# Altium PCB Fri3D_2018_00.PcbDoc (part 2 of 2)
Units mm, origin at the board's own origin, x right, y up, seen from the top; angles counter-clockwise.
Board outline 118.52 x 103.1 mm, 2 copper layers (Top Layer, Bottom Layer), stack 1.571 mm thick; 163 components, 107 nets, 522 pads, 207 vias.
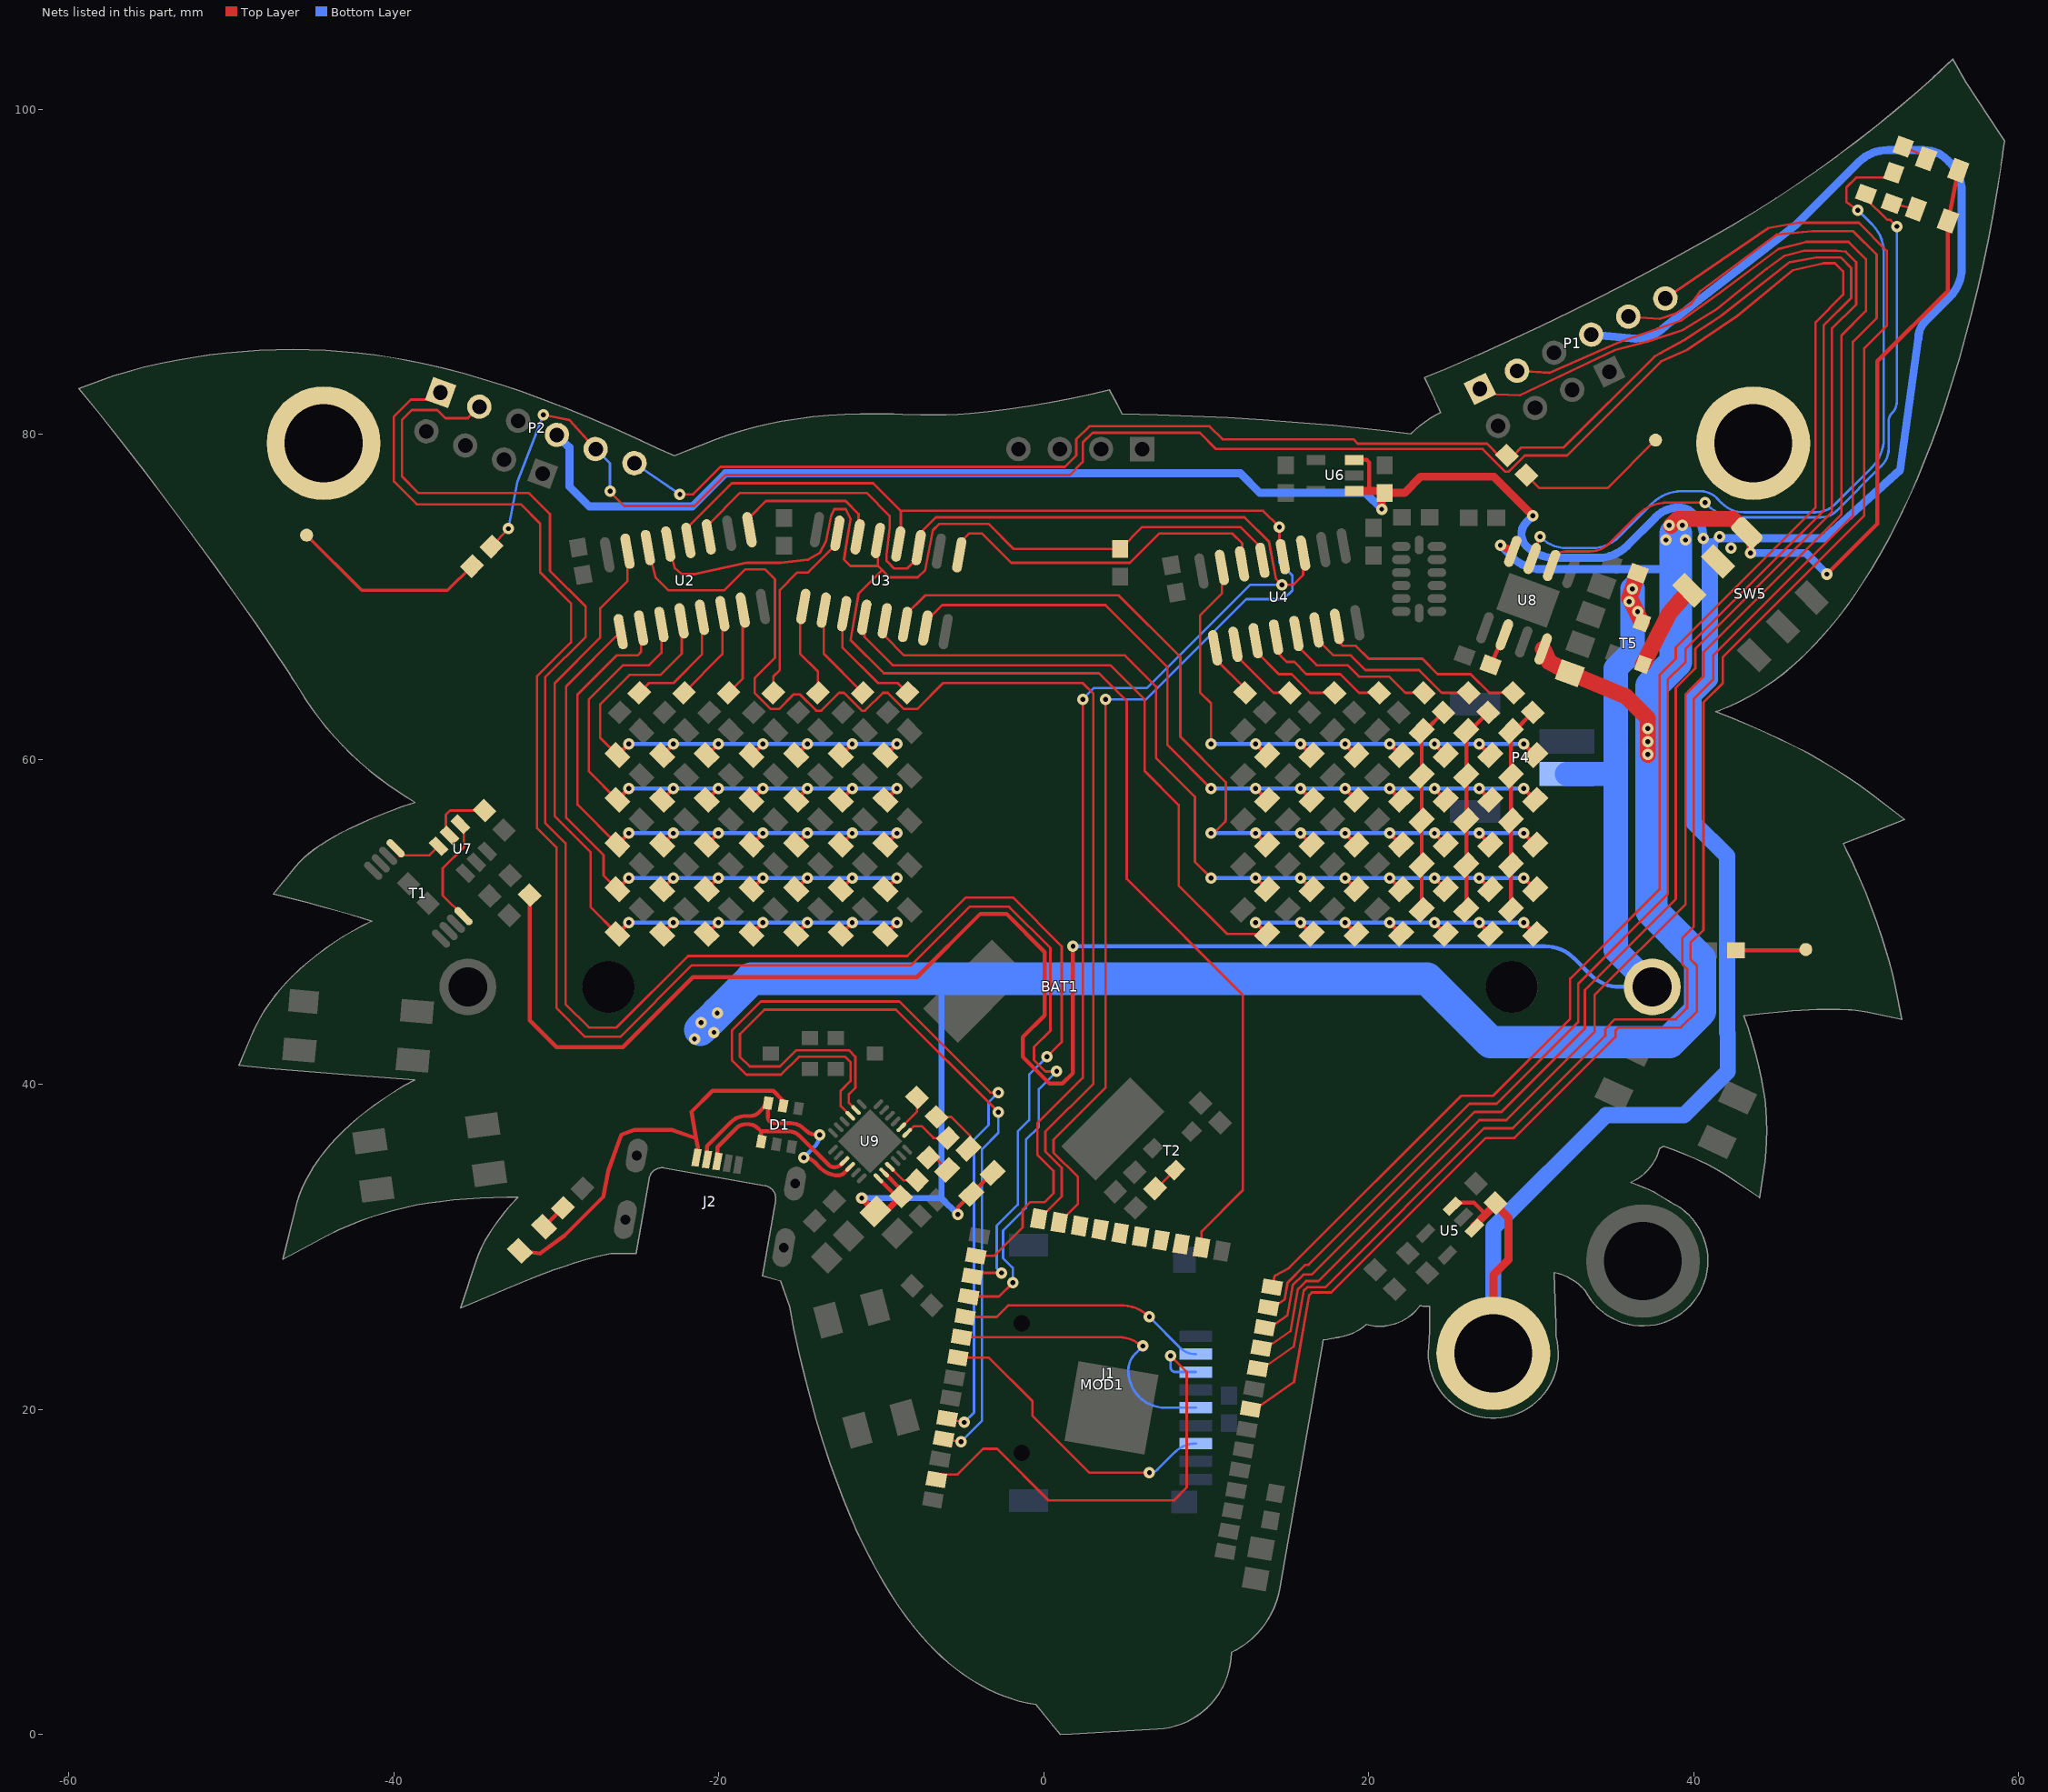
[diagram p2: the nets of this part, all layers, seen from the top]

## Via types
v1: diameter 0.7, hole 0.3, Top Layer to Bottom Layer, tented top, 207 vias

## Nets (pads, with @x,y where several pads share a name; then routed paths per layer and width w, separated by ;. In a path a pad name is that pad's centre, name@x,y a point inside that pad or via, vN(x,y) a via of type N, cw(c..) or ccw(c..) an arc to the next point about the centre after c; other vN are vias at no path point) (continued)
NetD41_2: D41.2 D48.2 D55.2 D62.2 D69.2 R14.1 | length 12.8
  Top Layer w0.25: D69.2@23.258,50.742 D62.2@23.258,53.492 D55.2@23.258,56.242 D48.2@23.258,58.992 D41.2@23.258,61.742 23.444,61.742 R14.1@24.601,62.899
NetD42_2: D42.2 D49.2 D56.2 D63.2 D70.2 R15.1 | length 12.8
  Top Layer w0.25: D70.2@26.008,50.742 D63.2@26.008,53.492 D56.2@26.008,56.242 D49.2@26.008,58.992 D42.2@26.008,61.742 26.194,61.742 R15.1@27.351,62.899
NetD43_2: D43.2 D50.2 D57.2 D64.2 D71.2 R16.1 | length 12.8
  Top Layer w0.25: D71.2@28.758,50.742 D64.2@28.758,53.492 D57.2@28.758,56.242 D50.2@28.758,58.992 D43.2@28.758,61.742 28.944,61.742 R16.1@30.101,62.899
NetD72_2: D72.2 R22.1 | length 1.4
  Top Layer w0.15: R22.1@52.309,94.2 D72.2@53.678,93.857
NetD73_2: D73.2 R23.1 | length 1.5
  Top Layer w0.15: R23.1@52.891,97.699 D73.2@54.313,97.1
NetD74_2: D74.2 R24.1 | length 3.4
  Top Layer w0.15: R24.1@-6.599,37.999 -5.699,37.999 -4.5,36.8 -4.5,36.185 D74.2@-4.642,36.042
NetD75_2: D75.2 R25.1 | length 1.5
  Top Layer w0.15: R25.1@-7.101,35.499 -6.699,35.499 D75.2@-5.942,34.742
NetD76_2: D76.2 R26.1 | length 1.6
  Top Layer w0.25: D76.2@-30.758,31.242 R26.1@-29.601,32.399
NetR18_1: R18.1 U7.2 | length 3.8
  Top Layer w0.15: U7.2@-36.581,55.331 -36.8,55.55 -36.8,56.6 -36.549,56.851 R18.1@-34.427,56.851
NetR21_1: R21.1 U8.2 | length 2
  Top Layer w0.25: R21.1@27.499,65.809 U8.2@28.348,67.668
NetR22_2: R22.2 U8.6 | length 41.3
  Top Layer w0.15: U8.6@31.252,71.932 cw(c32.12,71.932) 32.12,72.8 33.61,72.8 ccw(c33.61,74.507) 34.818,73.3 36.574,75.056 cw(c38.37,73.26) 38.37,75.8 v1(40.7,75.8) ; R22.2@50.601,94.791 50.6,94.52 51.92,93.2 52.1,93.2 v1(52.5,92.8)
  Bottom Layer w0.15: v1(40.7,75.8) 40.856,75.644 ccw(c42.652,77.44) 40.875,75.625 ccw(c42.652,77.44) 42.652,74.9 47.834,74.9 ccw(c47.834,76.266) 48.799,75.299 ; 48.8,75.3 51.55,78.05 ; 51.55,78.05 ccw(c50.464,79.136) 52,79.136 52,80.817 cw(c52.683,80.817) 52.2,81.3 ccw(c51.476,82.024) 52.5,82.024 v1(52.5,92.8)
NetR23_2: R23.2 U8.7 | length 46.1
  Top Layer w0.15: U8.7@30.1,72.6 v1(30.547,73.7) ; v1(50.1,93.8) 49.4,94.3 49.4,95.2 50,95.8 52.008,95.8 R23.2@52.309,96.101
  Bottom Layer w0.15: v1(30.547,73.7) 30.574,73.674 ccw(c32.2,75.3) 32.2,73 33.725,73 ccw(c33.725,75.353) 35.388,73.688 ; 35.389,73.689 37.456,75.756 cw(c39.252,73.96) 39.252,76.5 40.434,76.5 cw(c40.434,75.134) 41.399,76.101 41.734,75.766 ; 41.735,75.765 ccw(c43.1,77.131) 43.1,75.2 47.5,75.2 ccw(c47.5,76.89) 48.694,75.694 ; 48.695,75.695 50.956,77.956 ccw(c49.16,79.752) 50.958,77.958 ccw(c49.16,79.752) 51.7,79.752 51.7,91.21 ccw(c49.31,91.21) 51,92.9 v1(50.1,93.8)
NetR27_2: R27.2 U9.9 | length 2
  Top Layer w0.15: U9.9@-9.475,34.927 -8.649,34.101 R27.2@-7.796,34.101
NetR32_1: R32.1 T2.2 | length 1.7
  Top Layer w0.15: R32.1@6.851,33.601 6.944,33.601 T2.2@8.073,34.73
NetT1_4: T1.4 U7.1 | length 6.8
  Top Layer w0.15: U7.1@-35.909,56.003 -35.7,55.794 -35.7,54.6 -37,53.3 -37,51.629 T1.4@-35.725,50.353
NetT1_5: T1.5 U7.3 | length 3.1
  Top Layer w0.15: T1.5@-39.897,54.525 -39.471,54.1 -37.812,54.1 U7.3@-37.253,54.659
NetU2_9: U2.9 U3.14 | length 9.6
  Top Layer w0.15: U2.9@-18.118,74.135 -18.118,74.882 -17.1,75.9 -12.2,75.9 -11.4,75.1 U3.14@-11.4,74.5 ; U3.14@-11.459,73.694 U3.14@-11.459,74.441
  Top Layer w0.25: U3.14@-11.459,74.441 U3.14@-11.4,74.5
NetU3_9: U3.9 U4.14 | length 21.4
  Top Layer w0.15: U3.9@-5.206,72.592 -5.206,73.294 -4.6,73.9 -3.8,73.9 -2,72.1 5.3,72.1 7.1,73.9 11.607,73.9 12.207,73.3 U4.14@12.207,72.033
PWM.0: MOD1.8 P1.6 | length 107.7
  Top Layer w0.15: MOD1.8@12.722,20.015 12.956,19.974 15.397,21.683 16.342,27.04 16.502,27.2 17.7,27.2 27.2,36.7 28.962,36.7 35.184,42.922 35.184,43.3 35.384,43.5 39.2,43.5 40.2,44.5 40.2,47.3 39.8,47.7 39.8,48.7 40.6,49.5 40.6,63.5 41.8,64.7 41.8,66.3 50.5,75 50.5,85.3 51.884,86.684 51.884,91.303 50.162,93.025 46.505,93.025 46.5,93.03 44.6,92.7 P1.6@38.258,88.367
PWM.1: MOD1.10 P1.5 | length 106.3
  Top Layer w0.15: MOD1.10@13.163,22.517 13.397,22.475 15.388,23.869 15.993,27.298 16.214,27.52 17.32,27.52 27.1,37.3 28.862,37.3 34.557,42.995 34.557,43.4 35.157,44 38.9,44 39.6,44.7 39.6,47.1 39.3,47.4 39.3,49 40,49.7 40,63.7 41.2,64.9 41.2,66.4 49.8,75 49.8,85.7 51.257,87.157 51.257,91.057 49.807,92.507 47.4,92.507 47.308,92.499 45.1,92.3 40.402,88.797 40.393,88.791 ; P1.5@35.975,87.254 37.9,87.115 38.8,87.4 39.8,88 40.393,88.791 ; 40.4,88.8 40.393,88.791
PWM.2: MOD1.11 P1.2 | length 108.1
  Top Layer w0.15: MOD1.11@13.384,23.767 13.618,23.726 15.187,24.825 15.641,27.4 16.141,27.9 16.9,27.9 26.805,37.805 28.467,37.805 33.896,43.234 33.896,45.496 39.5,51.1 39.5,64.004 40.6,65.104 40.6,66.6 49.1,75.1 49.1,86.1 50.596,87.596 50.596,90.783 49.533,91.846 46.9,91.846 45.2,91.4 41.6,88.7 39.2,87 35.5,85.7 31.109,83.791 P1.2@29.127,83.913
PWM.3: MOD1.12 P1.1 | length 108
  Top Layer w0.15: MOD1.12@13.604,25.018 13.838,24.977 14.998,25.789 15.325,27.641 15.984,28.3 16.5,28.3 26.505,38.305 28.167,38.305 33.3,43.438 33.3,45.8 38.9,51.4 38.9,64.4 40.1,65.6 40.1,66.8 48.5,75.2 48.5,86.5 50,88 50,90.6 49.356,91.244 48.8,91.3 46.8,91.3 45.6,91 44.5,90.2 41.4,87.7 39.3,86.4 37.101,85.696 ; P1.1@26.844,82.8 27.144,82.5 29.3,82.4 35.2,85.2 36.765,85.612 37.1,85.7
RXT: R25.2 U9.13 | length 3
  Top Layer w0.15: U9.13@-8.414,37.013 -7.994,37.432 -7.518,37.432 -6.787,36.701 R25.2@-5.899,36.701
SD.CLK: J1.5 MOD1.30 | length 18.5
  Top Layer w0.15: MOD1.30@-5.068,24.442 4.622,24.442 cw(c4.622,22.422) 6.049,23.851 cw(c4.622,22.422) v1@6.05,23.85
  Bottom Layer w0.15: v1(6.1,23.9) 5.626,23.426 ccw(c6.655,22.397) 5.2,22.397 ccw(c7.497,22.397) 7.497,20.1 J1.5@9.35,20.1
SD.CS: J1.2 MOD1.29 | length 15.7
  Top Layer w0.15: MOD1.29@-4.847,25.692 -2.908,25.692 -2.2,26.4 4.748,26.4 cw(c4.748,23.86) 4.905,26.395 cw(c4.748,23.86) 6.544,25.656 v1(6.5,25.7)
  Bottom Layer w0.15: v1(6.5,25.7) 6.5,25.682 8.38,23.802 ccw(c9.35,24.772) J1.2@9.35,23.4
SD.DI: J1.3 MOD1.37 | length 28.8
  Top Layer w0.15: MOD1.37@-6.611,15.687 -6.298,16 -5.3,16 -3.725,17.575 -2.875,17.575 0.3,14.4 8,14.4 8.8,15.2 8.8,22.3 v1(7.8,23.3)
  Bottom Layer w0.15: v1(7.8,23.3) 7.8,22.6 ccw(c8.1,22.6) 8.1,22.3 J1.3@9.35,22.3
SD.DO: J1.7 MOD1.31 | length 18.7
  Top Layer w0.15: MOD1.31@-5.288,23.191 -3.391,23.191 -0.7,20.5 -0.7,19.6 2.8,16.1 v1(6.5,16.1)
  Bottom Layer w0.15: v1(6.5,16.1) ccw(c6.5,16.824) 7.012,16.312 8.07,17.37 cw(c9.35,16.089) J1.7@9.35,17.9
SPI.CLK: MOD1.20
SPI.CS0: MOD1.19
SPI.D: MOD1.22
SPI.HD: MOD1.17
SPI.Q: MOD1.21
SPI.WP: MOD1.18
SR.D0: D30.1 D31.1 D32.1 D33.1 D34.1 D35.1 D36.1 U2.15 | length 50.4
  Top Layer w0.15: D30.1@-26.242,49.258 -27.9,50.915 -27.9,54.3 -30.1,56.5 -30.1,64.7 -27.3,67.5 -27.3,69.3 -25.622,70.978 U2.15@-25.622,72.812
  Top Layer w0.25: D30.1@-26.242,49.258 v1(-25.542,49.958) ; D31.1@-23.492,49.258 v1(-22.792,49.958) ; D32.1@-20.742,49.258 v1(-20.042,49.958) ; D33.1@-17.992,49.258 v1(-17.292,49.958) ; D34.1@-15.242,49.258 v1(-14.542,49.958) ; D35.1@-12.492,49.258 v1(-11.792,49.958) ; D36.1@-9.742,49.258 v1(-9.042,49.958)
  Bottom Layer w0.25: v1(-25.542,49.958) v1(-22.792,49.958) v1(-20.042,49.958) v1(-17.292,49.958) v1(-14.542,49.958) v1(-11.792,49.958) v1(-9.042,49.958)
SR.D1: D23.1 D24.1 D25.1 D26.1 D27.1 D28.1 D29.1 U2.1 | length 42
  Top Layer w0.15: D23.1@-26.242,52.008 -27.1,52.865 -27.1,54.1 -29.4,56.4 -29.4,64.504 U2.1@-26.039,67.865
  Top Layer w0.25: D23.1@-26.242,52.008 v1(-25.542,52.708) ; D24.1@-23.492,52.008 v1(-22.792,52.708) ; D25.1@-20.742,52.008 v1(-20.042,52.708) ; D26.1@-17.992,52.008 v1(-17.292,52.708) ; D27.1@-15.242,52.008 v1(-14.542,52.708) ; D28.1@-12.492,52.008 v1(-11.792,52.708) ; D29.1@-9.742,52.008 v1(-9.042,52.708)
  Bottom Layer w0.25: v1(-25.542,52.708) v1(-22.792,52.708) v1(-20.042,52.708) v1(-17.292,52.708) v1(-14.542,52.708) v1(-11.792,52.708) v1(-9.042,52.708)
SR.D2: D16.1 D17.1 D18.1 D19.1 D20.1 D21.1 D22.1 U2.2 | length 40.2
  Top Layer w0.15: D16.1@-26.242,54.758 -28.7,57.215 -28.7,64 -26.3,66.4 -25,66.4 -24.788,66.612 U2.2@-24.788,68.085
  Top Layer w0.25: D16.1@-26.242,54.758 v1(-25.542,55.458) ; D17.1@-23.492,54.758 v1(-22.792,55.458) ; D18.1@-20.742,54.758 v1(-20.042,55.458) ; D19.1@-17.992,54.758 v1(-17.292,55.458) ; D20.1@-15.242,54.758 v1(-14.542,55.458) ; D21.1@-12.492,54.758 v1(-11.792,55.458) ; D22.1@-9.742,54.758 v1(-9.042,55.458)
  Bottom Layer w0.25: v1(-25.542,55.458) v1(-22.792,55.458) v1(-20.042,55.458) v1(-17.292,55.458) v1(-14.542,55.458) v1(-11.792,55.458) v1(-9.042,55.458)
SR.D3: D9.1 D10.1 D11.1 D12.1 D13.1 D14.1 D15.1 U2.3 | length 37.7
  Top Layer w0.15: D9.1@-26.242,57.508 -28,59.265 -28,63.7 -25.9,65.8 -24.3,65.8 -23.538,66.562 U2.3@-23.538,68.306
  Top Layer w0.25: D9.1@-26.242,57.508 v1(-25.542,58.208) ; D10.1@-23.492,57.508 v1(-22.792,58.208) ; D11.1@-20.742,57.508 v1(-20.042,58.208) ; D12.1@-17.992,57.508 v1(-17.292,58.208) ; D13.1@-15.242,57.508 v1(-14.542,58.208) ; D14.1@-12.492,57.508 v1(-11.792,58.208) ; D15.1@-9.742,57.508 v1(-9.042,58.208)
  Bottom Layer w0.25: v1(-25.542,58.208) v1(-22.792,58.208) v1(-20.042,58.208) v1(-17.292,58.208) v1(-14.542,58.208) v1(-11.792,58.208) v1(-9.042,58.208)
SR.D4: D2.1 D3.1 D4.1 D5.1 D6.1 D7.1 D8.1 U2.4 | length 35.3
  Top Layer w0.15: D2.1@-26.242,60.258 -27.3,61.315 -27.3,63.4 -25.5,65.2 -23.6,65.2 -22.287,66.513 U2.4@-22.287,68.526
  Top Layer w0.25: D2.1@-26.242,60.258 v1(-25.542,60.958) ; D3.1@-23.492,60.258 v1(-22.792,60.958) ; D4.1@-20.742,60.258 v1(-20.042,60.958) ; D5.1@-17.992,60.258 v1(-17.292,60.958) ; D6.1@-15.242,60.258 v1(-14.542,60.958) ; D7.1@-12.492,60.258 v1(-11.792,60.958) ; D8.1@-9.742,60.258 v1(-9.042,60.958)
  Bottom Layer w0.25: v1(-25.542,60.958) v1(-22.792,60.958) v1(-20.042,60.958) v1(-17.292,60.958) v1(-14.542,60.958) v1(-11.792,60.958) v1(-9.042,60.958)
SR.D5: R3.2 U2.5 | length 7.1
  Top Layer w0.15: R3.2@-24.899,64.101 -24.3,64.7 -22.8,64.7 -21.036,66.464 U2.5@-21.036,68.747
SR.D6: R4.2 U2.6 | length 5.8
  Top Layer w0.15: R4.2@-22.149,64.101 -19.785,66.465 U2.6@-19.785,68.967
SR.D7: R5.2 U2.7 | length 5.4
  Top Layer w0.15: R5.2@-19.399,64.101 -18.535,64.965 U2.7@-18.535,69.188
SR.D8: R6.2 U3.15 | length 11.8
  Top Layer w0.15: R6.2@-16.649,64.101 -16.649,65.1 -16.25,65.499 -16.25,70.418 -15.168,71.5 -14.5,71.5 -12.71,73.29 U3.15@-12.71,73.915
SR.D9: R7.2 U3.1 | length 5.8
  Top Layer w0.15: U3.1@-14.794,69.408 -15,69.203 -15,66.5 -13.899,65.399 R7.2@-13.899,64.101
SR.D10: R8.2 U3.2 | length 6.1
  Top Layer w0.15: U3.2@-13.544,69.188 -13.544,66.496 R8.2@-11.149,64.101
SR.D11: R9.2 U3.3 | length 7.3
  Top Layer w0.15: U3.3@-12.293,68.967 -12.4,68.86 -12.4,66.9 -10.2,64.7 -8.998,64.7 R9.2@-8.399,64.101
SR.D12: D65.1 D66.1 D67.1 D68.1 D69.1 D70.1 D71.1 U3.4 | length 62.5
  Top Layer w0.15: U3.4@-11.042,68.747 -11.042,67.542 -9.3,65.8 4.1,65.8 6.2,63.7 6.2,59.3 8.3,57.2 8.3,52.25 11.3,49.25 13.735,49.25 D65.1@13.742,49.258
  Top Layer w0.25: v1(13.042,49.958) D65.1@13.742,49.258 ; v1(15.792,49.958) D66.1@16.492,49.258 ; v1(18.542,49.958) D67.1@19.242,49.258 ; v1(21.292,49.958) D68.1@21.992,49.258 ; v1(24.042,49.958) D69.1@24.742,49.258 ; v1(26.792,49.958) D70.1@27.492,49.258 ; v1(29.542,49.958) D71.1@30.242,49.258
  Bottom Layer w0.25: v1(13.042,49.958) v1(15.792,49.958) v1(18.542,49.958) v1(21.292,49.958) v1(24.042,49.958) v1(26.792,49.958) v1(29.542,49.958)
SR.D13: D58.1 D59.1 D60.1 D61.1 D62.1 D63.1 D64.1 U3.5 | length 58.3
  Top Layer w0.15: U3.5@-9.791,68.526 -9.791,67.591 -8.6,66.4 5,66.4 6.9,64.5 6.9,60.1 9.3,57.7 9.3,53.7 v1(10.292,52.708)
  Top Layer w0.25: v1(13.042,52.708) D58.1@13.742,52.008 ; v1(15.792,52.708) D59.1@16.492,52.008 ; v1(18.542,52.708) D60.1@19.242,52.008 ; v1(21.292,52.708) D61.1@21.992,52.008 ; v1(24.042,52.708) D62.1@24.742,52.008 ; v1(26.792,52.708) D63.1@27.492,52.008 ; v1(29.542,52.708) D64.1@30.242,52.008
  Bottom Layer w0.25: v1(10.292,52.708) v1(13.042,52.708) v1(15.792,52.708) v1(18.542,52.708) v1(21.292,52.708) v1(24.042,52.708) v1(26.792,52.708) v1(29.542,52.708)
SR.D14: D51.1 D52.1 D53.1 D54.1 D55.1 D56.1 D57.1 U3.6 | length 58.2
  Top Layer w0.15: U3.6@-8.541,68.306 -8.541,68.859 -7.3,70.1 4.6,70.1 8.4,66.3 8.4,61.4 11.2,58.6 11.2,56.281 11.169,56.25 11.169,56.169 v1@10.4,55.4
  Top Layer w0.25: v1(13.042,55.458) D51.1@13.742,54.758 ; v1(15.792,55.458) D52.1@16.492,54.758 ; v1(18.542,55.458) D53.1@19.242,54.758 ; v1(21.292,55.458) D54.1@21.992,54.758 ; v1(24.042,55.458) D55.1@24.742,54.758 ; v1(26.792,55.458) D56.1@27.492,54.758 ; v1(29.542,55.458) D57.1@30.242,54.758
  Bottom Layer w0.25: v1(10.292,55.458) v1(13.042,55.458) v1(15.792,55.458) v1(18.542,55.458) v1(21.292,55.458) v1(24.042,55.458) v1(26.792,55.458) v1(29.542,55.458)
SR.D15: D44.1 D45.1 D46.1 D47.1 D48.1 D49.1 D50.1 U3.7 | length 52.1
  Top Layer w0.15: U3.7@-7.29,68.085 -7.29,68.46 -6.25,69.5 3.8,69.5 7.6,65.7 7.6,60.9 v1(10.292,58.208)
  Top Layer w0.25: v1(13.042,58.208) D44.1@13.742,57.508 ; v1(15.792,58.208) D45.1@16.492,57.508 ; v1(18.542,58.208) D46.1@19.242,57.508 ; v1(21.292,58.208) D47.1@21.992,57.508 ; v1(24.042,58.208) D48.1@24.742,57.508 ; v1(26.792,58.208) D49.1@27.492,57.508 ; v1(29.542,58.208) D50.1@30.242,57.508
  Bottom Layer w0.25: v1(10.292,58.208) v1(13.042,58.208) v1(15.792,58.208) v1(18.542,58.208) v1(21.292,58.208) v1(24.042,58.208) v1(26.792,58.208) v1(29.542,58.208)
SR.D16: D37.1 D38.1 D39.1 D40.1 D41.1 D42.1 D43.1 U4.15 | length 37.9
  Top Layer w0.15: v1(10.292,60.958) 10.292,63.458 9.613,64.137 9.613,68.863 10.956,70.206 U4.15@10.956,71.812
  Top Layer w0.25: v1(13.042,60.958) D37.1@13.742,60.258 ; v1(15.792,60.958) D38.1@16.492,60.258 ; v1(18.542,60.958) D39.1@19.242,60.258 ; v1(21.292,60.958) D40.1@21.992,60.258 ; v1(24.042,60.958) D41.1@24.742,60.258 ; v1(26.792,60.958) D42.1@27.492,60.258 ; v1(29.542,60.958) D43.1@30.242,60.258
  Bottom Layer w0.25: v1(10.292,60.958) v1(13.042,60.958) v1(15.792,60.958) v1(18.542,60.958) v1(21.292,60.958) v1(24.042,60.958) v1(26.792,60.958) v1(29.542,60.958)
SR.D17: R10.2 U4.1 | length 3.5
  Top Layer w0.15: U4.1@10.539,66.865 10.539,66.211 R10.2@12.524,64.226
SR.D18: R11.2 U4.2 | length 5
  Top Layer w0.15: U4.2@11.79,67.085 11.79,66.46 14.149,64.101 R11.2@15.149,64.101
SR.D19: R12.2 U4.3 | length 6.6
  Top Layer w0.15: U4.3@13.041,67.306 13.041,66.669 14.46,65.25 15.25,65.25 16.399,64.101 R12.2@17.899,64.101
SR.D20: R13.2 U4.4 | length 8.3
  Top Layer w0.15: U4.4@14.291,67.526 14.291,66.668 14.959,66 15.414,66 16.164,65.25 18.25,65.25 19.399,64.101 R13.2@20.649,64.101
SR.D21: R14.2 U4.5 | length 9.9
  Top Layer w0.15: U4.5@15.542,67.747 15.542,67.059 16.801,65.8 18.7,65.8 19.4,65.1 21.251,65.1 22.25,64.101 R14.2@23.399,64.101 R14.2@23.5,64.101
SR.D22: R15.2 U4.6 | length 11.3
  Top Layer w0.15: U4.6@16.793,67.967 16.793,67.428 17.821,66.4 18.9,66.4 19.8,65.5 23.096,65.5 24.495,64.101 R15.2@26.149,64.101
SR.D23: R16.2 U4.7 | length 13
  Top Layer w0.15: U4.7@18.044,68.188 18.044,67.354 18.412,66.986 19.214,66.986 20,66.2 23.3,66.2 24.25,65.25 26.265,65.25 27.414,64.101 R16.2@28.899,64.101
SR.DATA_IN: MOD1.24 U2.14 | length 77.2
  Top Layer w0.15: U2.14@-24.371,73.033 -23.9,71.2 -23.1,70.4 -19.676,70.4 -18.376,71.7 -17.165,71.7 -16.55,71.085 -16.55,66.25 -17.8,65 -17.8,64.1 -16.8,63.1 -16.3,63.1 -15.4,64 -15,64 -14,63 -13.7,63 -12.6,64.1 -12.3,64.1 -11.2,63 -11,63 -9.9,64.1 -9.6,64.1 -8.6,63.1 -7.8,63.1 -6.2,64.7 2.4,64.7 3.05,64.05 3.05,40.05 0.1,37.1 0.1,35.876 1.1,34.876 1.1,33.1 -0.275,31.725 MOD1.24@-0.299,31.725
SR.O\E\: MOD1.16 R34.2 U2.13 U3.13 U4.13 | length 112.2
  Top Layer w0.15: U2.13@-23.12,73.253 -22.724,71.8 -22.287,71.4 -21.5,71.4 -18.3,72.1 -16.2,72.1 -14.5,72.3 -13.8,72.7 -13.4,73.439 -13.1,74.965 -12.9,75.4 -12.2,75.4 -11.9,74.8 -12.129,73.4 -12.3,72.3 -11.9,71.9 -10.209,71.909 ; U3.13@-10.209,73.474 -10.209,71.909 ; MOD1.16@9.706,29.961 9.706,30.956 12.25,33.5 12.25,45.5 5.1,52.65 5.1,63.6 3.4,65.3 -9.842,65.3 -11.9,67.358 -11.4,70.2 -9.959,71.641 -9.959,71.659 ; -10.209,71.909 -9.959,71.659 ; -9.959,71.659 -9.5,71.2 -7.758,71.2 -7.299,71.659 -6.829,74.1 -6.429,74.5 -3.4,74.5 -1.85,72.95 R34.2@4.7,72.95 6.05,74.3 12.1,74.3 U4.13@13.3,73.1 ; U4.13@13.3,73.1 13.3,72.411 U4.13@13.458,72.253 13.458,72.942 U4.13@13.3,73.1
SR.RCLK: MOD1.23 U2.12 U3.12 U4.12 | length 96.6
  Top Layer w0.15: U2.12@-21.87,73.474 -21.87,74.33 -19.2,77 -10.5,77 -8.8,75.3 ; U3.12@-8.958,73.253 -8.8,73.411 -8.8,75.3 ; MOD1.23@0.951,31.505 2.1,32.654 2.1,34.3 0.6,35.8 0.6,36.6 3.8,39.8 v1(3.8,63.7) ; U4.12@14.709,72.474 14.5,72.682 v1(14.5,74.3) 13.5,75.3 -8.8,75.3
  Bottom Layer w0.15: v1(3.8,63.7) 6.3,63.7 12.458,69.858 14.758,69.858 15.3,70.4 15.3,71.314 14.5,72.114 v1(14.5,74.3)
SR.SRCLK: MOD1.26 U2.11 U3.11 U4.11 | length 102.5
  Top Layer w0.15: U2.11@-20.619,73.694 -20.619,74.481 -18.7,76.4 -10.9,76.4 -9.489,74.989 -9.489,74.25 -9.678,72.571 -9.678,72.205 -9.223,71.75 -8.399,71.75 -7.707,72.442 U3.11@-7.707,73.033 ; U3.11@-7.6,73.14 -7.6,73.95 -6.65,74.9 12.358,74.9 13.858,73.4 14.3,71.1 v1(14.664,70.75) 15.366,70.75 15.959,71.344 U4.11@15.959,72.694 ; MOD1.26@-4.185,29.445 -3.055,29.445 -1.3,31.2 -1.3,32.3 -0.85,32.75 0.05,32.75 0.6,33.3 0.6,34.676 -0.4,35.676 -0.4,37.6 2.4,40.4 v1(2.4,63.7)